# Altium PCB PCB1.PcbDoc
Units mm, origin at the board's own origin, x right, y up, seen from the top; angles counter-clockwise.
Board outline 75 x 80 mm, 2 copper layers (Top Layer, Bottom Layer); 102 components, 64 nets, 313 pads, 135 vias.
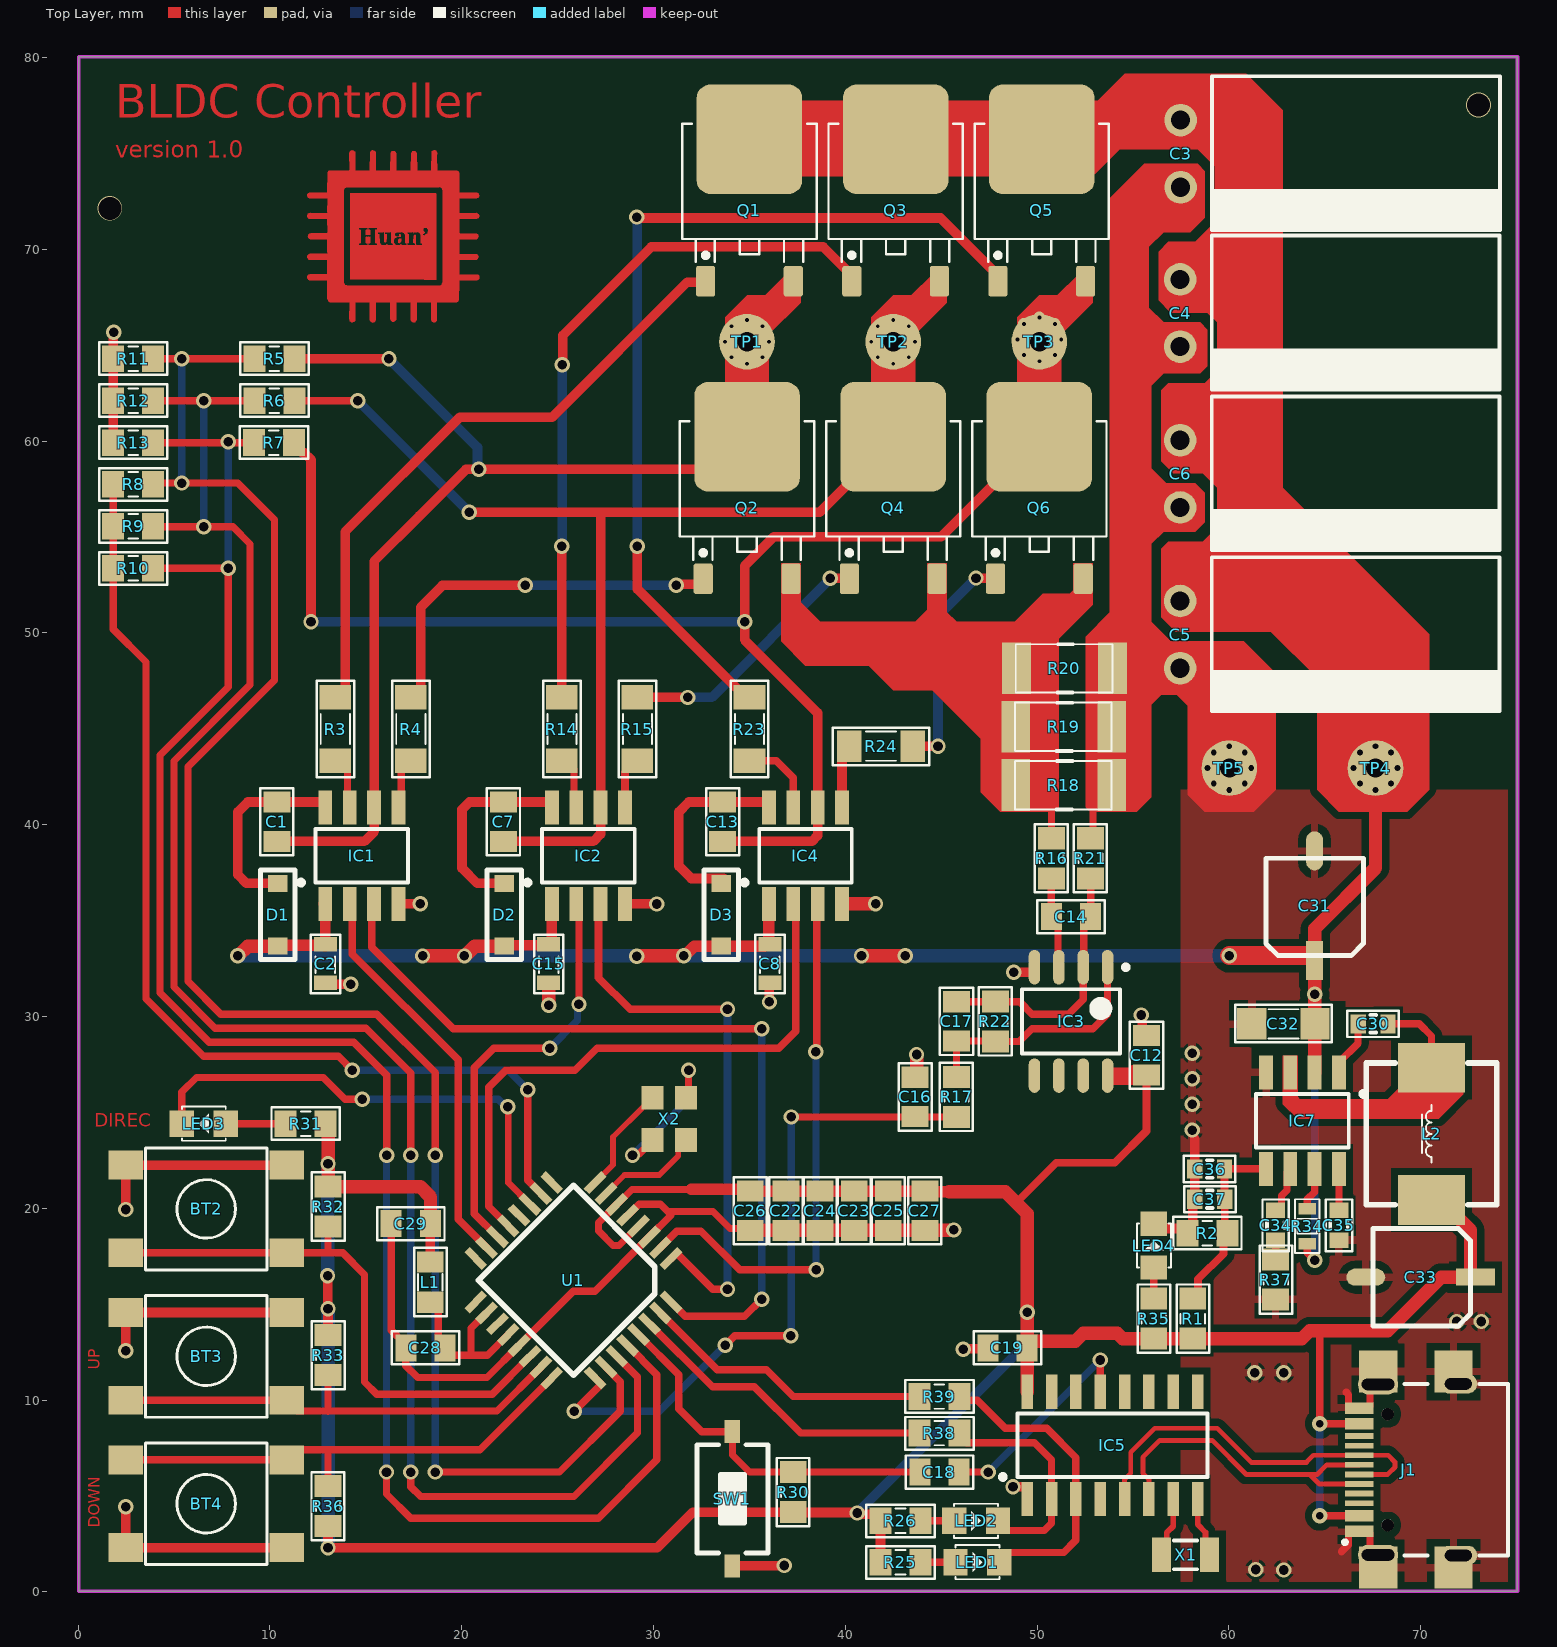
[diagram p0: Top Layer view]
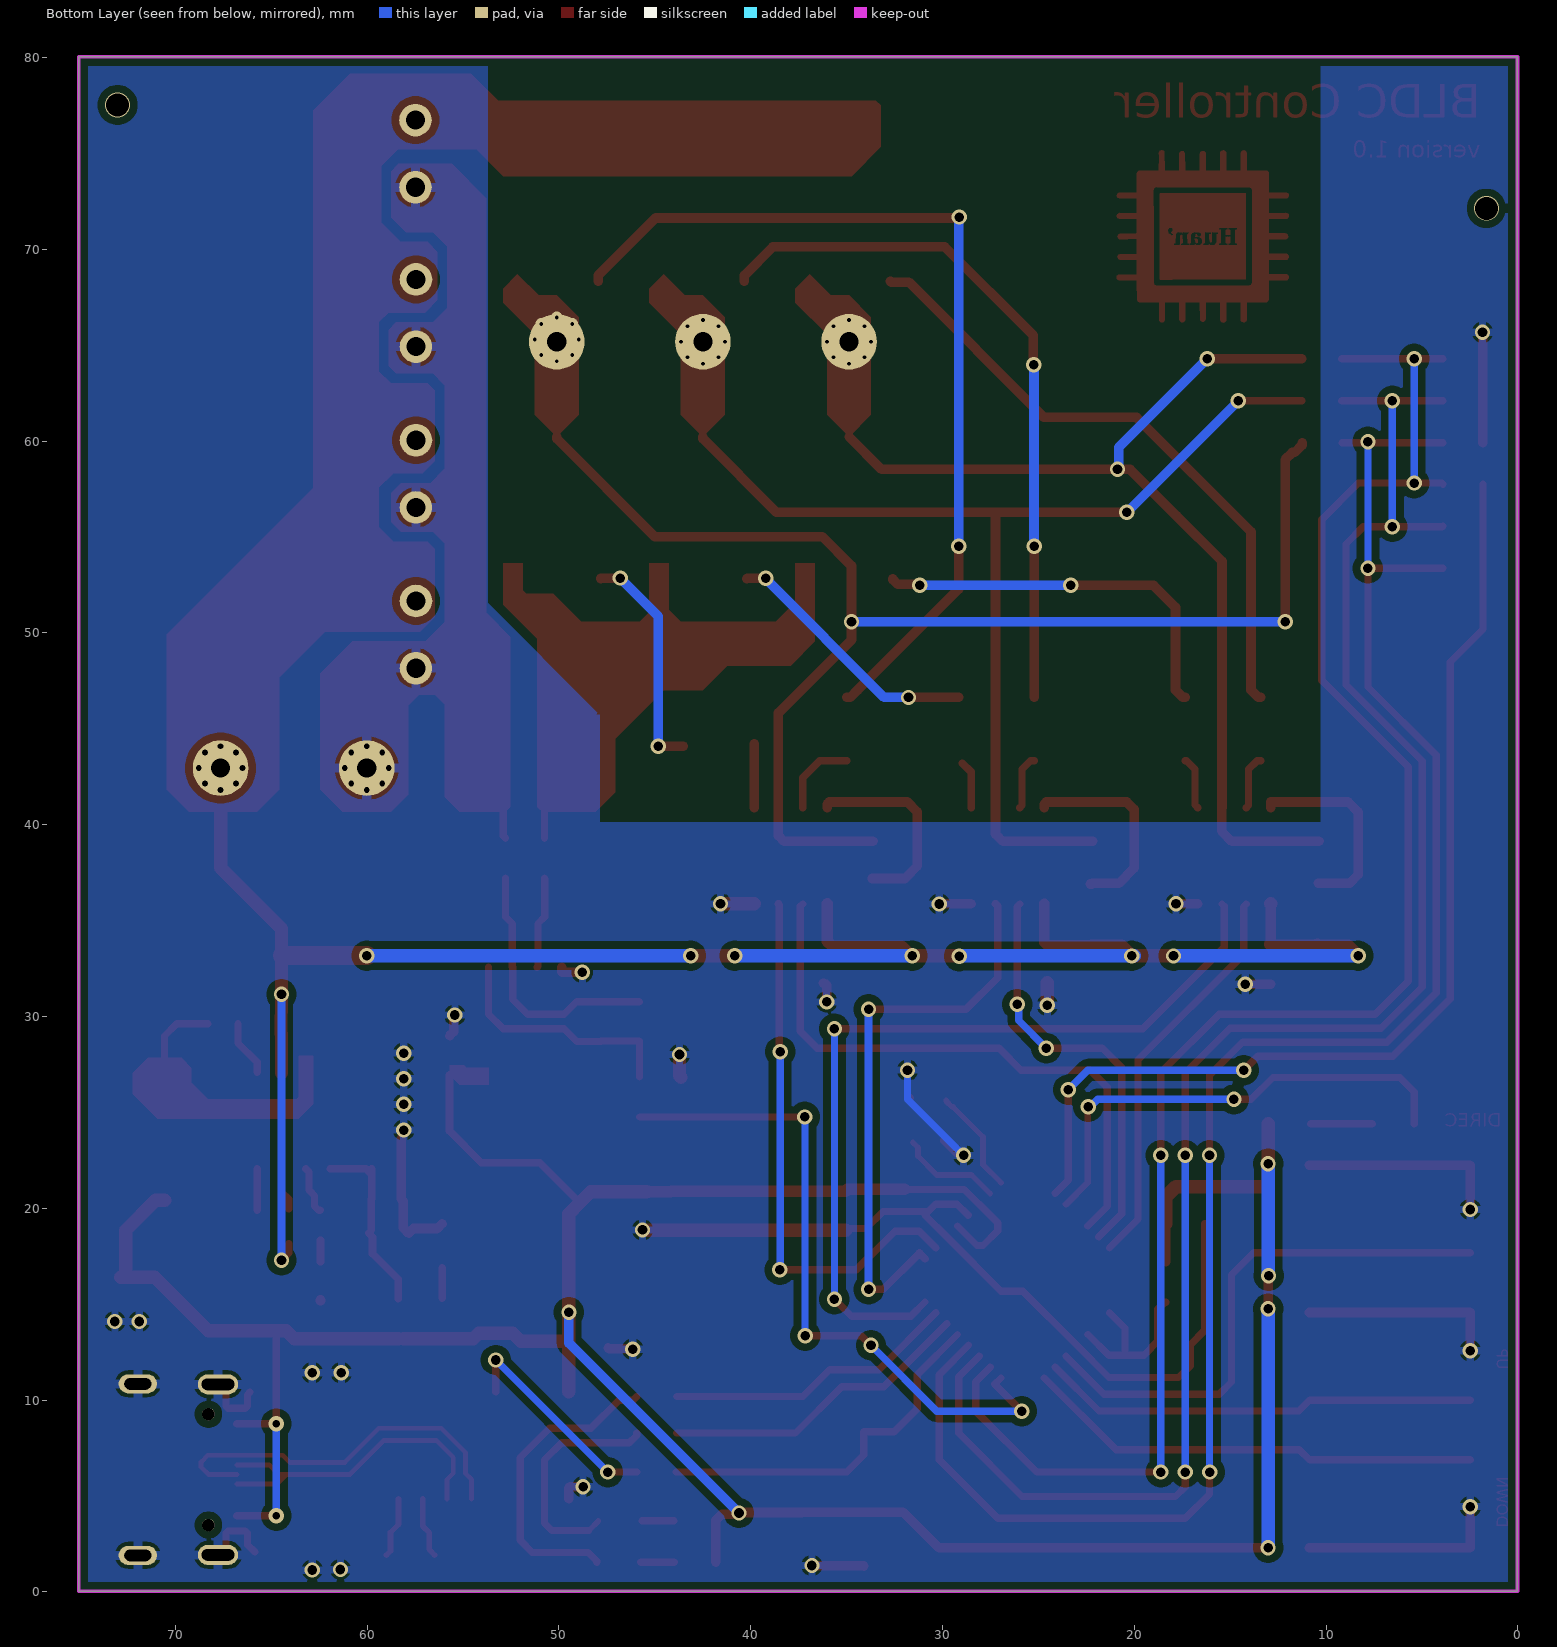
[diagram p1: Bottom Layer view, seen from below]
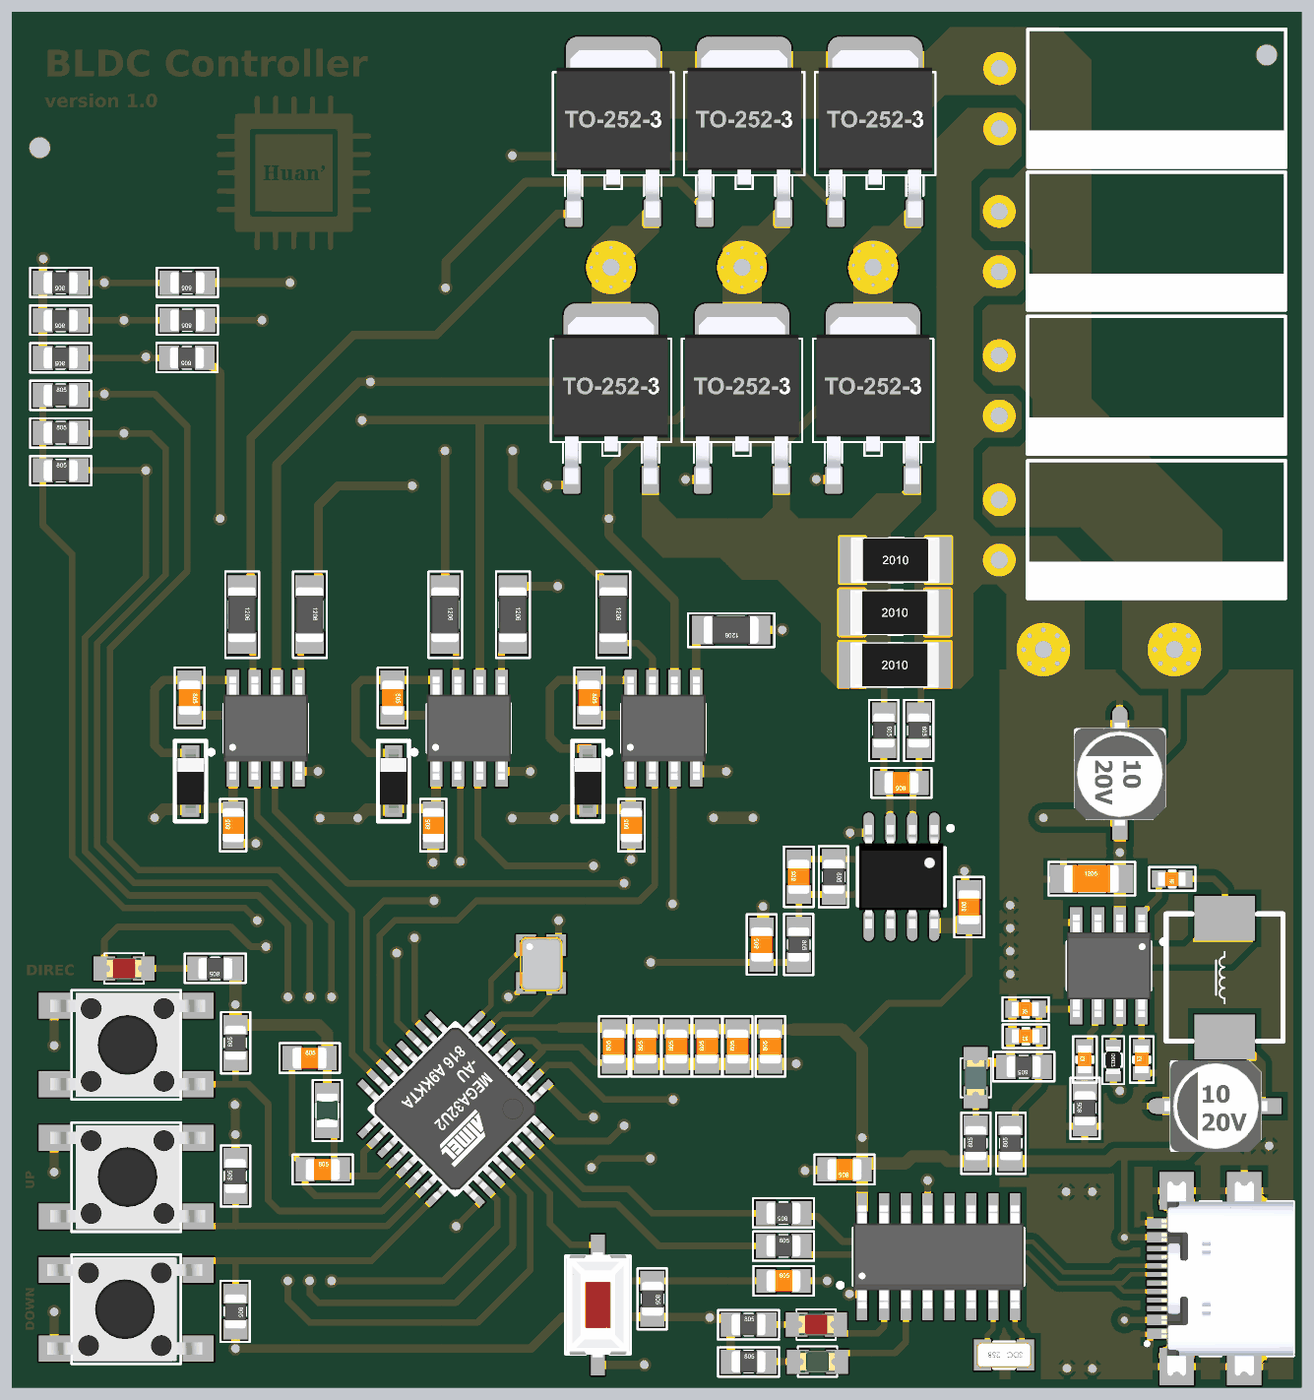
[diagram p2: 3D render of the assembled board from above, using the file's embedded part models]

## Layer stack, top to bottom
Top Solder: solder mask 0.0102, Solder Resist, Dk 3.5
Top Layer: signal copper 0.0356
Dielectric 1: dielectric 0.32, FR-4, Dk 4.8
Bottom Layer: signal copper 0.0356
Bottom Solder: solder mask 0.0102, Solder Resist, Dk 3.5

## Board outline
0.034,0.035 75.034,0.035 75.034,80.035 0.034,80.035

## Design rules (kind name [scope] priority, off if disabled: settings)
Clearance [All] p1: gap=0.381 ignorepadtopadclearanceinfootprint=FALSE
DiffPairsRouting [All] p1: maxlimit=0.4 minlimit=0.381 mostfreqgap=0.381 toplayer_minwidth=0.254 toplayer_maxwidth=0.381 toplayer_prefwidth=0.254 bottomlayer_minwidth=0.254 bottomlayer_maxwidth=0.381 bottomlayer_prefwidth=0.254 maxuncoupledlength=12.7
PolygonConnect [All] p1: thpad.connectstyle=Relief thpad.reliefconductorwidth=0.5 thpad.reliefentries=4 thpad.polygonreliefangle="90 Angle" thpad.airgapwidth=0.2 smdpad.connectstyle=Relief smdpad.reliefconductorwidth=0.4 smdpad.reliefentries=4 smdpad.polygonreliefangle="90 Angle" smdpad.airgapwidth=0.4 via.connectstyle=Relief via.reliefconductorwidth=0.4 via.reliefentries=4 via.polygonreliefangle="90 Angle" via.airgapwidth=0.15
RoutingVias [All] p1: holewidth=0.711 width=1.27 viastyle="Through Hole" minholewidth=0.711 minwidth=1.27 maxholewidth=0.711 maxwidth=1.27
SolderMaskExpansion [All] p1: expansion=0.102 istentingtop=FALSE
Width [All] p1: maxlimit=2 minlimit=0.254 preferedwidth=0.35
29 further rules are at their usual default settings.

## Classes and differential pairs
component class MCU: BT2 BT3 BT4 C18 C19 C22 C23 C24 C25 C26 C27 C28 C29 C30 C31 C32 C33 C34 C35 C36 C37 IC5 IC7 J1 L1 L2 LED1 LED2 LED3 LED4 R1 R2 R25 R26 R30 R31 R32 R33 R34 R35 R36 R37 R38 R39 SW1 U1 X1 X2
component class phase: C1 C2 C3 C4 C5 C6 C7 C8 C12 C13 C14 C15 C16 C17 D1 D2 D3 IC1 IC2 IC3 IC4 Q1 Q2 Q3 Q4 Q5 Q6 R3 R4 R5 R6 R7 R8 R9 R10 R11 R12 R13 R14 R15 R16 R17 R18 R19 R20 R21 R22 R23 R24 TP1 TP2 TP3 TP4 TP5
differential pair USB: +USB_P -USB_N

## Components (designator, comment, footprint, x,y, rotation, side; value= is the part's Value field where it differs from the comment)
BT2 "BUTTON1" SW4_SMD 6.68,19.964 r0 top value=1N4007
BT3 "BUTTON1" SW4_SMD 6.68,12.281 r0 top value=1N4007
BT4 "BUTTON1" SW4_SMD 6.68,4.597 r180 top value=1N4007
C1 "2.2uF" CN-SMD-0805 10.363,40.157 r270 top value=0,1uF/300V
C2 "10uF" SM-CAP-0805 12.896,31.598 r90 top value=0,1uF/300V
C3 "16V/1000uF" CAP-8MM_HORIZONTAL 65.761,75.006 r90 top
C4 "16V/1000uF" CAP-8MM_HORIZONTAL 65.735,66.7 r90 top
C5 "16V/1000uF" CAP-8MM_HORIZONTAL 65.735,49.936 r90 top
C6 "16V/1000uF" CAP-8MM_HORIZONTAL 65.735,58.318 r90 top
C7 "2.2uF" CN-SMD-0805 22.174,40.157 r270 top value=0,1uF/300V
C8 "10uF" SM-CAP-0805 36.068,31.598 r90 top value=0,1uF/300V
C12 "1uF" CN-SMD-0805 55.702,27.975 r90 top value=0,1uF/300V
C13 "2.2uF" CN-SMD-0805 33.604,40.157 r270 top value=0,1uF/300V
C14 "1nF" CN-SMD-0805 51.765,35.204 r180 top value=0,1uF/300V
C15 "10uF" SM-CAP-0805 24.536,31.598 r90 top value=0,1uF/300V
C16 "1nF" CN-SMD-0805 43.637,25.806 r90 top value=0,1uF/300V
C17 "100pF" CN-SMD-0805 45.796,29.743 r90 top value=0,1uF/300V
C18 "1uF" CN-SMD-0805 44.907,6.248 r0 top value=0,1uF/300V
C19 "0.1uF" CN-SMD-0805 48.454,12.725 r180 top value=0,1uF/300V
C22 "22uF" CN-SMD-0805 36.906,19.875 r90 top value=0,1uF/300V
C23 "22uF" CN-SMD-0805 40.462,19.876 r90 top value=0,1uF/300V
C24 "0.1uF" CN-SMD-0805 38.684,19.875 r90 top value=0,1uF/300V
C25 "0.1uF" CN-SMD-0805 42.24,19.875 r90 top value=0,1uF/300V
C26 "0.1uF" CN-SMD-0805 35.039,19.876 r90 top value=0,1uF/300V
C27 "0.1uF" CN-SMD-0805 44.145,19.875 r90 top value=0,1uF/300V
C28 "22uF" CN-SMD-0805 18.11,12.725 r0 top value=0,1uF/300V
C29 "0.1uF" CN-SMD-0805 17.348,19.202 r0 top value=0,1uF/300V
C30 "10nF" CN-SMD-0603 67.513,29.616 r180 top value=0,1uF/300V
C31 "47uF" "cap_A_SMD 10uF/16V" 66.37,37.871 r180 top
C32 "0.1uF" CN-SMD-1206 62.814,29.616 r0 top value=0,1uF/300V
C33 "47uF" "cap_A_SMD 10uF/16V" 67.894,18.313 r270 top
C34 "6.8nF" CN-SMD-0603 62.433,19.113 r90 top value=0,1uF/300V
C35 "0.1uF" CN-SMD-0603 65.735,19.113 r90 top value=0,1uF/300V
C36 "10uF" CN-SMD-0603 58.988,22.047 r180 top value=0,1uF/300V
C37 "10uF" CN-SMD-0603 59.004,20.472 r180 top value=0,1uF/300V
D1 "1N5822" SOD123 10.414,35.306 r0 top
D2 "1N5822" SOD123 22.225,35.306 r0 top
D3 "1N5822" SOD123 33.528,35.306 r0 top
IC1 "IR2101S" SOIC-8 14.794,38.379 r90 top
IC2 "IR2101S" SOIC-8 26.605,38.379 r90 top
IC3 "LM358" SO8 51.765,29.743 r270 top
IC4 "IR2101S" SOIC-8 37.922,38.379 r90 top
IC5 "CH340G" SOIC-16 53.924,7.645 r90 top
IC7 "MP1484" SOIC-8 63.83,24.566 r270 top
J1 "USB4110-GF-A_REVB" GCT_USB4110-GF-A_REVB 68.275,6.375 r90 top
L1 "10uH" IN-SMD-0805 18.364,16.154 r90 top value="150 mH"
L2 "2.2uH" L-SMD-06030-7.4x6.6X3 70.561,23.88 r0 top value="150 mH"
LED1 "LED SMD" SM-LED-0805-Green 46.885,1.549 r0 top
LED2 "LED SMD" SM-LED-0805-Red 46.812,3.708 r0 top
LED3 "LED SMD" SM-LED-0805-Red 6.553,24.409 r180 top
LED4 "LED SMD" SM-LED-0805-Blue 56.083,18.059 r90 top
Q1 "DD8870" TO-252 35.001,72.034 r0 top locked
Q2 "DD8870" TO-252 34.874,56.523 r0 top locked
Q3 "DD8870" TO-252 42.621,72.034 r0 top locked
Q4 "DD8870" TO-252 42.494,56.523 r0 top locked
Q5 "DD8870" TO-252 50.241,72.034 r0 top locked
Q6 "DD8870" TO-252 50.114,56.523 r0 top locked
R1 "6.8K" RES-SMD-0805 58.115,14.249 r90 top
R2 "2.2K" RES-SMD-0805 58.877,18.694 r180 top
R3 "100R" RES-SMD-1206 13.411,44.983 r270 top
R4 "100R" RES-SMD-1206 17.348,44.983 r270 top
R5 "22K" RES-SMD-0805 10.236,64.287 r180 top
R6 "22K" RES-SMD-0805 10.236,62.103 r180 top
R7 "22K" RES-SMD-0805 10.211,59.919 r180 top
R8 "10K" RES-SMD-0805 2.87,57.744 r0 top
R9 "10K" RES-SMD-0805 2.87,55.555 r0 top
R10 "10K" RES-SMD-0805 2.87,53.365 r0 top
R11 "6.8K" RES-SMD-0805 2.87,64.287 r180 top
R12 "6.8K" RES-SMD-0805 2.87,62.098 r180 top
R13 "6.8K" RES-SMD-0805 2.87,59.908 r180 top
R14 "100R" RES-SMD-1206 25.222,44.983 r270 top
R15 "100R" RES-SMD-1206 29.159,44.983 r270 top
R16 "1K" RES-SMD-0805 50.749,38.248 r270 top
R17 "1K" RES-SMD-0805 45.796,25.806 r270 top
R18 "0.15R" RES-SMD-2010 51.384,42.062 r0 top
R19 "0.15R" RES-SMD-2010 51.384,45.11 r0 top
R20 "0.15R" RES-SMD-2010 51.424,48.158 r0 top
R21 "1K" RES-SMD-0805 52.781,38.248 r270 top
R22 "22K" RES-SMD-0805 47.828,29.743 r270 top
R23 "100R" RES-SMD-1206 35.001,44.983 r270 top
R24 "100R" RES-SMD-1206 41.859,44.094 r180 top
R25 "1K" RES-SMD-0805 42.875,1.549 r0 top
R26 "1K" RES-SMD-0805 42.875,3.708 r0 top
R30 "10K" RES-SMD-0805 37.287,5.205 r270 top
R31 "1K" RES-SMD-0805 11.86,24.409 r180 top
R32 "10K" RES-SMD-0805 13.03,20.091 r90 top
R33 "10K" RES-SMD-0805 13.03,12.344 r90 top
R34 "100K" RES-SMD-0603 64.084,19.075 r270 top
R35 "1K" RES-SMD-0805 56.083,14.249 r90 top
R36 "10K" RES-SMD-0805 13.03,4.47 r270 top
R37 "6.8K" RES-SMD-0805 62.433,16.281 r90 top
R38 "1K" RES-SMD-0805 44.907,8.28 r0 top
R39 "1K" RES-SMD-0805 44.907,10.185 r180 top
SW1 "SW" SW1-SMD 34.112,4.851 r270 top value="SW chip 2 pin"
TP1 "JP1P" PW-JP#1 34.874,65.176 r0 top locked
TP2 "JP1P" PW-JP#1 42.494,65.176 r0 top locked
TP3 "JP1P" PW-JP#2 50.114,65.303 r0 top locked
TP4 "JP1P" PW-JP#1 67.64,42.951 r0 top
TP5 "JP1P" PW-JP#1 60.02,42.951 r0 top
U1 "Atmega-328" TQFP32 25.823,16.247 r225 top
X1 "12Mhz" XTAL_3215 57.734,1.93 r180 top value=4Mhz
X2 "16Mhz" "XT4 SMD 3225" 30.81,24.663 r270 top

## Footprints (in the part's own frame and the unit in brackets; to place one, negate y for a bottom-side part, rotate by r counter-clockwise, add the part's x,y. Pads: shape width x height; smd on the part's side, far side on the other; paste and mask are expansions set on the pad)
CAP-8MM_HORIZONTAL [mm]
  round 1.7 hole 1: 1(1.727,8.28) 2(-1.778,8.28)
  silkscreen extent -4.01,-8.36 4.01,6.64, body extent -4.01,-8.36 4.01,8.64, height 8
"cap_A_SMD 10uF/16V" [mil]
  rect 35x80 smd: 1(75,195)
  oval 35x80 smd: 2(75,-30)
  silkscreen extent -25,-15 175,185, body extent -29,-33 179,203, height 232
CN-SMD-0603 [mm]
  rect 0.8x1 smd: 1(-0.781,0) 2(0.781,0)
  silkscreen extent -1.35,-0.69 1.35,0.69, body extent -0.78,-0.4 0.82,0.4, height 0.3
CN-SMD-0805 [mm]
  rect 1.1x1.4 smd: 1(-1.025,0) 2(1.025,0)
  silkscreen extent -1.75,-0.86 1.75,0.86, body extent -1,-0.62 1,0.62, height 0.8
CN-SMD-1206 [mil]
  rect 60x65 smd: 1(-64,0) 2(66,0)
  silkscreen extent -98,-38 100,39, body extent -63,-31 63,32, height 40
GCT_USB4110-GF-A_REVB [mm]
  rect 0.6x1.5 smd: A1/B12(-3.2,1.481) A4/B9(-2.4,1.481) B1/A12(3.2,1.481) B4/A9(2.4,1.481)
  rect 0.3x1.5 smd: A5(-1.25,1.481) A6(-0.25,1.481) A7(0.25,1.481) A8(1.25,1.481) B5(1.75,1.481) B6(0.75,1.481) B7(-0.75,1.481) B8(-1.75,1.481)
  rect 2.18x2 smd: S1(-5.11,0.5) S2(5.11,0.5) S3(-5.11,-3.43) S4(5.11,-3.43)
  oval 1.05x2.1 hole 0.6 slot 1.7 at 90 deg: S1(-4.447,0.5) S4(4.447,0.5)
  oval 1x2 hole 0.6 slot 1.4 at 90 deg: S2(-4.472,-3.68) S3(4.472,-3.68)
  round 0.65 hole 0.65 unplated: ""(-2.89,0) ""(2.89,0)
  silkscreen extent -4.47,-6.28 4.47,2.33, body extent -5.65,-6.28 5.65,1.4, height 3.36
IN-SMD-0805 [mm]
  rect 1.1x1.397 smd: 1(-1.051,0) 2(1.051,0)
  silkscreen extent -1.78,-0.86 1.78,0.84, body extent -1,-0.62 1,0.63, height 0.61
L-SMD-06030-7.4x6.6X3 [mm]
  rect 3.5x2.6 smd: 1(0,3.45) 2(0,-3.45)
  silkscreen extent -3.4,-3.7 3.4,3.7, body extent -3.4,-4.1 3.4,4.1, height 3
PW-JP#1 [mm]
  round 2.9 hole 1: 1(0,0)
PW-JP#2 [mm]
  round 2.9 hole 1: 1(0,-0.127)
RES-SMD-0603 [mm]
  rect 0.6x0.9 smd: 1(-0.889,0) 2(0.927,0)
  silkscreen extent -1.4,-0.64 1.4,0.64, body extent -0.8,-0.4 0.8,0.4, height 0.43
RES-SMD-0805 [mm]
  rect 1.15x1.397 smd: 1(-1.043,0) 2(1.043,0)
  silkscreen extent -1.78,-0.86 1.78,0.84, body extent -1,-0.62 1,0.63, height 0.8
RES-SMD-1206 [mil]
  rect 50x65 smd: 1(-65,0) 2(65,0)
  silkscreen extent -99,-38 99,39, body extent -63,-31 63,32, height 40
RES-SMD-2010 [mm] "Chip Capacitor, Body 3.2x2.5mm, IPC Medium Density"
  rect 1.5x2.7 smd: 1(-2.5,0) 2(2.5,0)
  silkscreen extent -2.54,-1.26 2.5,1.25, body extent -2.5,-1.25 2.5,1.25, height 0.6
SM-CAP-0805 [mil]
  rect 30x47.24 smd: 1(6,0) 2(85,0)
  silkscreen extent -15,-30 105,30, body extent 6,-25 84,25, height 31
SM-LED-0805-Blue [mil]
  rect 50x55 smd: 1(-45,0) 2(45,0)
  silkscreen extent -45,-35 45,35, body extent -40,-25 40,25, height 43
SM-LED-0805-Green [mil]
  rect 50x55 smd: 1(-45,0) 2(45,0)
  silkscreen extent -45,-35 45,35, body extent -40,-25 40,25, height 43
SM-LED-0805-Red [mil]
  rect 50x55 smd: 1(-45,0) 2(45,0)
  silkscreen extent -45,-35 45,35, body extent -40,-25 40,25, height 43
SO8 [mm] "SOIC, 8-Leads, Body 4.9x3.9mm, Pitch 1.27mm, IPC High Density"
  oval 1.8x0.6 smd: 1(-2.825,1.905) 2(-2.825,0.635) 3(-2.825,-0.635) 4(-2.825,-1.905) 5(2.825,-1.905) 6(2.825,-0.635) 7(2.825,0.635) 8(2.825,1.905)
  silkscreen extent -2.95,-2.55 1.67,2.98, body extent -2.99,-2.45 3,2.45, height 1.6
SOD123 [mm]
  rect 1.02x0.88 smd: 1(0,-1.635) 2(0,1.635)
  silkscreen extent -0.9,-2.34 0.9,2.34, body extent -0.8,-1.85 0.81,1.85, height 1.27